# Altium PCB coreBoard_autotrack.PcbDoc (part 2 of 3)
Units mm, origin at the board's own origin, x right, y up, seen from the top; angles counter-clockwise.
Board outline 99.95 x 98.81 mm, 2 copper layers (Top Layer, Bottom Layer); 297 components, 244 nets, 1010 pads, 629 vias.
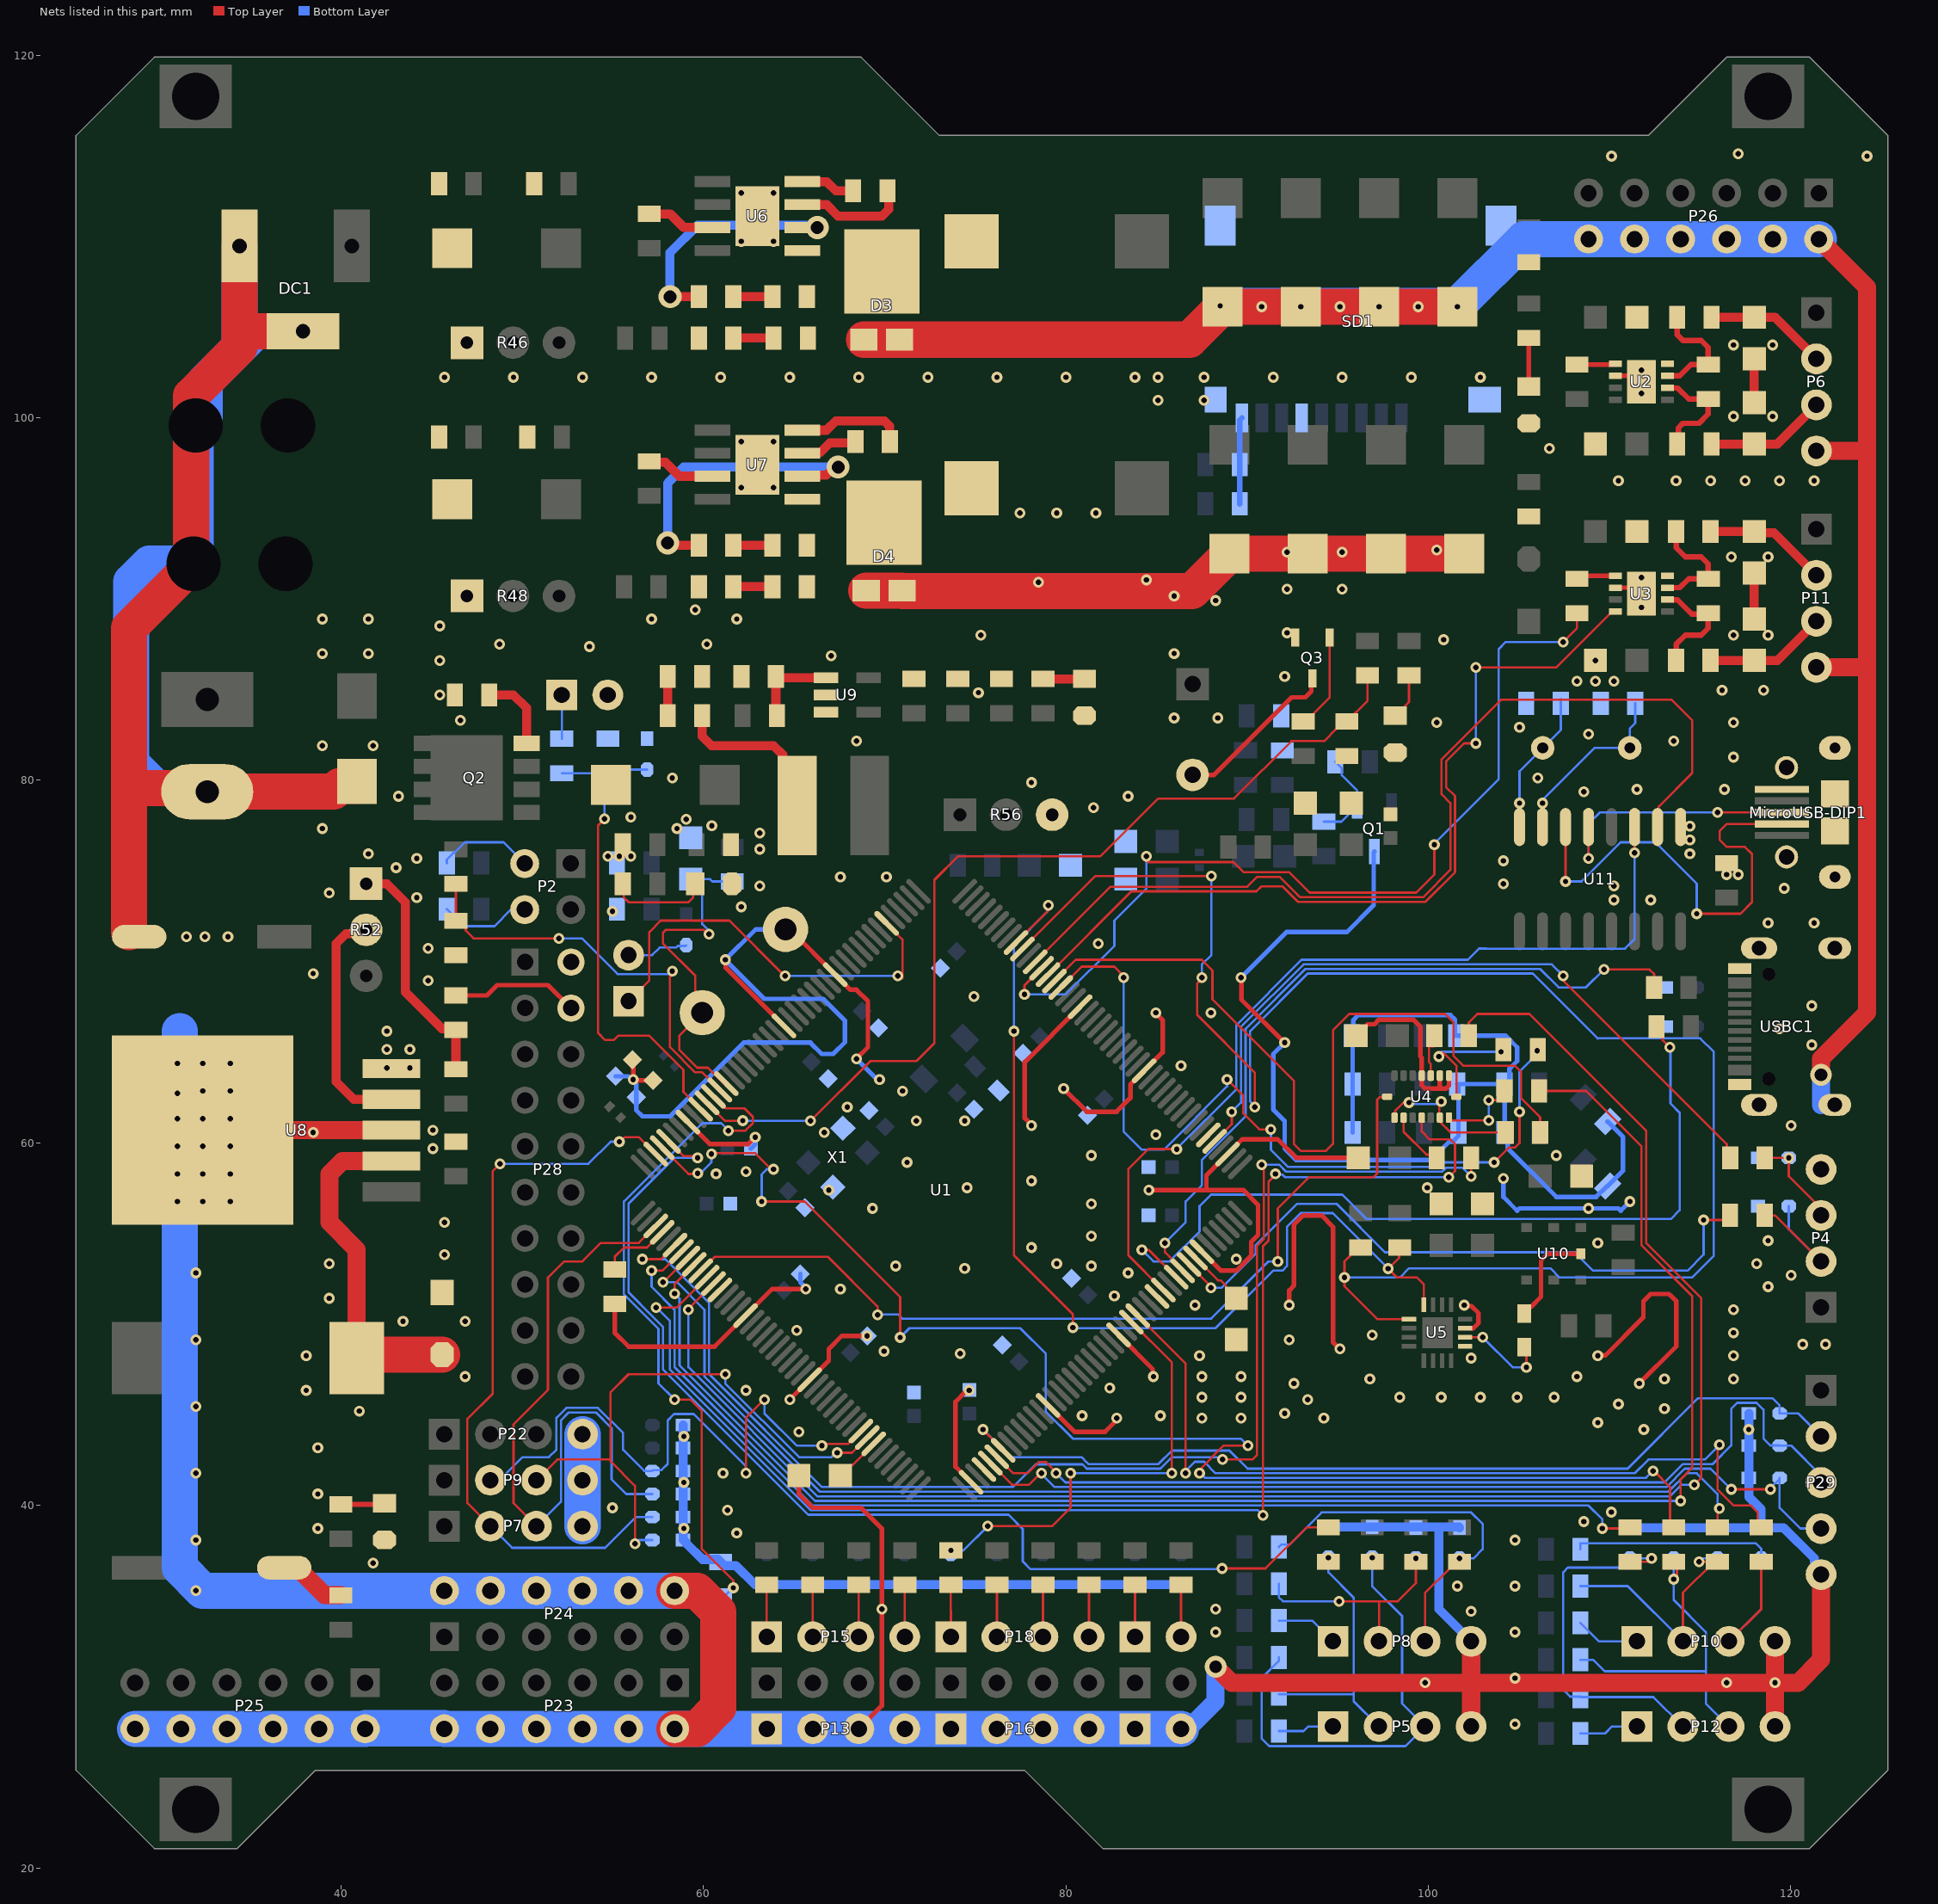
[diagram p2: the nets of this part, all layers, seen from the top]

## Via types
v1: diameter 0.6, hole 0.3, Top Layer to Bottom Layer, tented both sides, 587 vias
v2: diameter 0.6, hole 0.3, Top Layer to Bottom Layer, 20 vias
v3: diameter 1.27, hole 0.711, Top Layer to Bottom Layer, tented both sides, 19 vias
v4: diameter 1.2, hole 0.7, Top Layer to Bottom Layer, tented both sides, 3 vias

## Nets (pads, with @x,y where several pads share a name; then routed paths per layer and width w, separated by ;. In a path a pad name is that pad's centre, name@x,y a point inside that pad or via, vN(x,y) a via of type N, cw(c..) or ccw(c..) an arc to the next point about the centre after c; other vN are vias at no path point) (continued)
GND: C1.1 C2.1 C3.1 C4.1 C5.2 C6.1 C7.1 C8.1 C9.1 C10.1 C11.1 C12.1 C13.2 C14.2 C15.1 C16.1 C17.2 C18.2 C19.1 C20.1 C21.1 C22.2 C23.1 C24.1 C25.1 C26.2 C27.1 C28.1 C31.1 C32.1 C33.1 C34.1 C35.1 C36.1 C37.1 C38.1 C39.1 C40.1 C41.1 C42.1 C43.1 C44.1 C45.1 C46.1 C47.1 C48.2 C49.2 C50.2 C51.2 C53.2 C54.2 C55.2 C56.1 C57.1 C58.1 C59.2 C60.2 C61.2 C62.2 C63.2 C64.2 C65.2 C66.2 C67.1 C68.1 C72.2 C73.2 C74.2 C75.2 C76.2 C78.1 C79.1 C80.2 C81.2 C82.2 C83.2 C84.1 C85.1 C86.2 C87.1 C88.1 C89.1 D2.1 D3.1 D3.2 D4.1 D4.2 D5.1 D7.1 D8.1 D9.1 D10.1 D11.1 D12.1 D14.1 D15.1 D16.1 D17.1 D18.1 D19.1 D20.1 D21.1 D22.1 D23.1 D24.1 D25.1 D26.1 D27.1 D28.1 D29.1 D30.1 D31.1 D32.1 D33.1 D34.1 D35.1 D36.1 D37.1 D39.1 D40.1 DC1.2 DC1.3 DS1.2 DS2.2 DS3.2 DS4.2 DS5.2 J1.2 L4.1 MicroUSB-DIP1.0@119.761,75.776 MicroUSB-DIP1.0@119.761,80.703 MicroUSB-DIP1.0@122.428,74.676 MicroUSB-DIP1.0@122.428,77.216 MicroUSB-DIP1.0@122.428,79.248 MicroUSB-DIP1.0@122.428,81.788 MicroUSB-DIP1.5 P3.2 P4.4 P5.4 P6.4 P7.4 P8.4 P9.4 P10.4 P11.4 P12.4 P13.1 P13.2 P13.3 P13.4 P16.1 P16.2 P16.3 P16.4 P19.1 P19.2 P22.4 P23.2 P23.4 P23.6 P23.8 P23.10 P23.12 P24.2 P24.4 P24.6 P24.8 P24.10 P24.12 P25.2 P25.4 P25.6 P25.8 P25.10 P25.12 P26.2 P26.4 P26.6 P26.8 P26.10 P26.12 P27.2 P28.2 P28.4 P29.5 P30.2 Q3.2 R3.2 R32.1 R33.2 R43.1 R46.1 R48.1 R53.2 R56.3 R98.1 R99.1 R100.1 R101.1 S1.2 SD1.6 SD1.10 SD1.11 SD1.12 SD1.13 U1.14 U1.22 U1.37 U1.61 U1.71 U1.90 U1.102 U1.113 U1.126 U1.135 U1.148 U1.158 U2.2 U2.8 U2.9 U3.2 U3.8 U3.9 U4.4 U4.6 U4.7 U5.9 U5.11 U6.4 U6.9 U7.4 U7.9 U8.3 U8.5 U9.2 U10.7 U11.1 USBC1.0 USBC1.A1 USBC1.A12 USBC1.B1 USBC1.B12 X1.2 X1.4 | length 746.2
  Top Layer w0.254: R53.2@46.355,68.133 48.067,68.133 48.641,68.707 51.435,68.707 P28.4@52.705,67.437 ; R3.2@55.118,51.12 55.118,49.53 55.88,48.768 60.627,48.768 U1.61@62.333,50.474 63.802,51.943 v1(65.659,51.943) ; C3.1@56.086,64.595 56.086,64.236 56.134,64.187 v1(56.134,63.5) 56.182,63.452 C4.1@57.229,63.452 ; U1.37@59.151,61.152 60.359,59.944 62.484,59.944 v1(62.865,60.325) ; v1(61.214,70.104) 61.237,70.081 61.237,69.672 U1.22@64.455,66.455 ; S1.2@64.54,71.779 64.787,71.779 U1.14@67.283,69.283 68.113,68.453 68.453,68.453 69.088,67.818 69.088,65.278 v1(68.453,64.643) ; v1(64.777,45.847) U1.71@65.869,46.939 66.929,47.999 66.929,48.641 67.643,49.355 v1(69.04,49.355) ; C8.1@65.278,41.656 65.278,40.64 66.04,39.878 68.707,39.878 69.85,38.735 69.85,28.956 P13.3@68.58,27.686 ; v1(74.676,46.355) 74.549,46.355 73.914,45.72 73.914,42.146 U1.90@74.778,41.282 ; v1(78.105,60.96) 78.105,61.001 77.739,61.366 77.739,64.466 U1.158@80.789,67.516 ; U1.102@79.021,45.525 80.477,44.069 82.169,44.069 82.804,44.704 v1(82.804,44.831) ; v1(79.883,62.992) 81.153,61.722 82.804,61.722 83.566,62.484 83.566,63.222 U1.148@84.324,63.98 85.344,65 85.344,66.778 84.963,67.159 v2(84.963,67.183) ; U1.113@82.91,49.414 84.794,47.53 84.794,47.159 v1(84.836,47.117) ; v1(84.582,57.404) 87.757,57.404 ; U1.126@87.506,54.01 88.557,52.959 89.408,52.959 90.233,53.785 90.233,54.546 90.608,54.921 90.608,56.585 89.789,57.404 87.757,57.404 ; v1(92.329,51.054) 92.329,51.868 92.583,52.122 92.583,55.499 93.091,56.007 94.107,56.007 94.742,55.372 94.742,49.022 v1(95.123,48.641) ; C20.1@96.012,65.913 96.647,66.548 97.028,66.548 97.282,66.802 99.165,66.802 99.567,66.401 99.567,64.77 99.637,64.699 U4.4@99.637,63.714 99.637,63.177 99.822,62.992 100.711,62.992 ; C21.1@96.139,59.182 92.71,59.182 91.694,60.198 89.735,60.198 U1.135@88.92,59.384 87.757,58.22 87.757,57.404 ; U4.6@100.637,63.714 100.637,63.066 100.711,62.992 ; U4.7@101.138,63.714 101.138,63.165 100.965,62.992 100.711,62.992 ; v1(101.981,51.054) 102.033,51.002 102.384,51.002 102.765,50.62 102.765,50.06 102.489,49.784 U5.11@102.032,49.784 ; C26.2@105.283,50.584 105.283,50.711 105.537,50.965 105.664,50.965 106.214,51.516 106.214,53.509 106.586,53.881 U10.7@108.415,53.881 ; v1(109.347,48.26) 109.376,48.289 109.773,48.289 111.868,50.383 111.868,51.272 112.263,51.668 113.276,51.668 113.363,51.581 113.375,51.581 113.684,51.272 113.684,48.787 v1(111.633,46.736) ; U3.2@110.327,90.627 111.43,90.627 U3.9@111.76,90.297 ; U2.2@110.327,102.311 111.43,102.311 U2.9@111.76,101.981
  Top Layer w0.5: U7.4@65.467,99.314 66.802,99.314 67.31,99.822 69.989,99.822 70.282,99.529 70.282,98.689 C67.1@70.292,98.679 ; U6.4@65.467,113.03 65.472,113.025 66.807,113.025 67.31,112.522 C56.1@68.265,112.522 ; C19.1@117.983,88.9 C18.2@117.983,91.44 ; C15.1@117.983,100.838 C14.2@117.983,103.251
  Top Layer w1: U8.3@32.381,60.706 U8.3@42.795,60.706 ; C50.2@36.881,36.576 37.65,36.576 37.881,36.345 37.881,36.287 39.116,35.052 C51.2@40.005,35.052 ; v4(88.265,31.115) 89.154,30.226 102.362,30.226 ; P5.4@102.362,27.813 102.362,30.226 ; P8.4@102.362,32.512 102.362,30.226 ; P12.4@119.126,27.813 v1(119.126,30.226) ; P10.4@119.126,32.512 v1(119.126,30.226) ; P11.4@121.412,86.233 124.206,86.233 ; P6.4@121.412,98.171 124.079,98.171 124.206,98.044 ; P26.2@121.539,109.855 124.206,107.188 124.206,98.044 ; P29.5@121.666,36.195 121.666,31.496 120.396,30.226 v1(119.126,30.226) ; v4(121.666,63.754) 121.666,64.643 124.206,67.183 124.206,86.233 ; 102.362,30.226 v1(119.126,30.226) ; 124.206,86.233 124.206,98.044
  Top Layer w2: C48.2@28.321,71.628 28.321,79.576 ; DC1.2@34.417,109.474 34.417,105.029 ; DC1.3@37.917,104.774 34.672,104.774 34.417,105.029 ; D2.1@40.894,79.946 40.894,79.796 40.794,79.696 39.943,79.696 39.622,79.375 J1.2@32.639,79.375 32.438,79.576 28.321,79.576 ; P23.2@58.42,27.686 59.661,27.686 60.833,28.858 60.833,34.134 59.661,35.306 P24.12@58.42,35.306 ; D3.2@68.865,104.311 D3.1@70.835,104.311 86.837,104.311 C61.2@88.646,106.12 v1(90.805,106.12) v1(92.964,106.12) v1(95.123,106.12) v1(97.282,106.12) v1(99.441,106.12) v1(101.6,106.12) ; D4.2@68.992,90.468 D4.1@70.962,90.468 70.99,90.44 86.965,90.44 C76.2@89.029,92.504 C75.2@93.347,92.504 C74.2@97.665,92.504 C73.2@101.983,92.504 ; 28.321,79.576 28.321,88.392 P30.2@31.877,91.948 31.75,92.075 31.75,101.219 34.417,103.886 34.417,105.029
  Bottom Layer w0.254: C2.1@55.166,63.675 55.865,63.675 56.04,63.5 v1(56.134,63.5) 56.134,63.406 56.309,63.231 C1.1@56.309,62.532 56.309,61.801 56.642,61.468 58.166,61.468 62.23,65.532 65.913,65.532 66.533,64.912 67.168,64.912 67.818,65.563 67.818,66.744 66.617,67.945 63.373,67.945 v1(61.214,70.104) 62.889,71.779 S1.2@64.54,71.779 ; C34.1@62.626,59.69 62.865,59.929 v1(62.865,60.325) ; C40.1@65.357,52.784 65.357,52.316 65.659,52.013 v1(65.659,51.943) ; v1(68.453,64.643) 69.53,63.566 69.657,63.566 v1(69.723,63.5) ; v1(104.14,58.039) 104.14,57.023 104.902,56.261 105.029,56.388 v1(108.839,56.388) 110.49,56.388 110.617,56.261 v1(111.125,56.769)
  Bottom Layer w0.5: D36.1@58.889,44.45 D35.1@58.889,43.18 D20.1@58.889,41.91 D15.1@58.889,40.64 D16.1@58.889,39.37 D19.1@58.889,38.1 58.939,38.1 59.039,38 59.039,37.95 59.959,37.03 60.821,37.03 R100.1@60.96,36.891 61.155,36.697 61.79,36.697 62.848,35.638 D28.1@63.5,35.638 D27.1@66.04,35.638 D26.1@68.58,35.638 D25.1@71.12,35.638 D32.1@73.66,35.638 D31.1@76.2,35.638 D30.1@78.74,35.638 D29.1@81.28,35.638 D34.1@83.82,35.638 D33.1@86.36,35.638 ; D14.1@94.488,38.823 D12.1@96.901,38.823 100.584,38.823 ; D17.1@101.727,38.784 101.688,38.823 100.584,38.823 ; P8.4@102.362,32.512 100.584,34.29 100.584,38.823 ; D24.1@111.125,38.784 D23.1@113.538,38.784 D22.1@115.951,38.784 D21.1@118.364,38.784 ; D40.1@117.68,45.085 D39.1@117.68,43.307 D37.1@117.68,41.529 117.68,40.486 118.364,39.802 D21.1@118.364,38.784 ; P29.5@121.666,36.195 121.666,36.52 121.289,36.897 121.289,37.08 119.585,38.784 D21.1@118.364,38.784
  Bottom Layer w1: P19.2@86.36,27.686 86.549,27.686 86.899,28.036 87.091,28.036 88.265,29.21 v4(88.265,31.115) ; USBC1.0@121.666,62.099 v4(121.666,63.754)
  Bottom Layer w2: P25.12@28.65,27.686 P25.10@31.19,27.686 P25.8@33.73,27.686 P25.6@36.27,27.686 P25.4@38.81,27.686 P25.2@41.35,27.686 41.38,27.716 45.69,27.716 P23.12@45.72,27.686 P23.10@48.26,27.686 P23.8@50.8,27.686 P23.6@53.34,27.686 P23.4@55.88,27.686 P23.2@58.42,27.686 P13.1@63.5,27.686 P13.2@66.04,27.686 P13.3@68.58,27.686 P13.4@71.12,27.686 P16.1@73.66,27.686 P16.2@76.2,27.686 P16.3@78.74,27.686 P16.4@81.28,27.686 P19.1@83.82,27.686 P19.2@86.36,27.686 ; 31.115,66.167 31.115,36.576 32.385,35.306 P24.2@45.72,35.306 P24.4@48.26,35.306 P24.6@50.8,35.306 P24.8@53.34,35.306 P24.10@55.88,35.306 P24.12@58.42,35.306 ; J1.2@32.639,79.375 32.438,79.576 29.814,79.576 28.448,80.941 28.448,90.948 29.448,91.948 P30.2@31.877,91.948 32.004,92.075 P27.2@32.004,99.568 32.504,100.068 32.504,101.973 34.417,103.886 ; DC1.2@34.417,109.474 34.417,103.886 ; DC1.3@37.917,104.774 35.305,104.774 34.417,103.886 ; P7.4@53.34,38.862 P9.4@53.34,41.402 P22.4@53.34,43.942 ; v1(88.519,106.172) 101.6,106.172 105.283,109.855 P26.12@108.839,109.855 P26.10@111.379,109.855 P26.8@113.919,109.855 P26.6@116.459,109.855 P26.4@118.999,109.855 P26.2@121.539,109.855
  other v1: 104.775,27.94 99.822,30.226 116.459,30.226 104.775,30.48 88.265,33.02 104.775,33.02 102.362,34.163 88.265,34.29 32.004,35.306 101.6,35.56 104.775,35.56 41.783,36.83 32.004,38.1 104.775,38.1 61.849,38.481 38.735,38.735 58.928,38.735 108.585,39.116 110.09,39.641 61.341,39.751 54.991,39.878 38.735,40.64 58.928,41.275 32.004,41.783 61.087,41.783 38.735,43.18 58.928,43.815 65.278,44.069 111.887,44.196 117.68,44.196 109.347,44.577 87.503,44.831 89.662,44.831 94.234,44.831 80.899,44.958 85.217,44.958 92.075,45.085 41.021,45.212 113.03,45.339 32.004,45.466 110.49,45.593 93.345,45.847 87.503,45.974 89.662,45.974 98.425,45.974 100.711,45.974 102.87,45.974 104.902,45.974 106.934,45.974 38.1,46.355 82.423,46.482 92.583,46.736 96.774,46.99 113.03,46.99 116.84,46.99 46.863,47.117 87.503,47.117 89.662,47.117 108.204,47.117 102.362,48.133 38.1,48.26 87.376,48.26 116.84,48.26 74.168,48.387 69.977,48.514 120.65,48.895 121.92,48.895 32.004,49.149 92.329,49.149 96.901,49.403 116.84,49.53 43.434,50.165 46.863,50.165 116.84,50.8 87.122,51.054 39.37,51.435 82.677,51.562 67.564,51.943 118.745,52.07 120.015,52.705 32.004,52.832 74.422,53.086 70.612,53.213 81.407,53.213 39.37,53.34 79.502,53.34 118.11,53.34 89.408,53.594 45.72,53.848 78.105,54.229 118.745,54.61 81.407,54.864 45.72,55.626 69.342,56.388 81.407,56.642 30.988,56.769 32.385,56.769 33.909,56.769 66.929,57.404 74.549,57.531 99.949,57.531 78.105,57.912 30.988,58.293 32.385,58.293 33.909,58.293 62.357,58.42 71.247,58.928 81.407,59.309 107.061,59.309 45.085,59.69 30.988,59.817 32.385,59.817 33.909,59.817 66.675,60.579 45.085,60.706 120.015,60.96 71.755,61.214 30.988,61.341 32.385,61.341 33.909,61.341 67.945,61.976 30.988,62.738 32.385,62.865 33.909,62.865 70.993,62.865 42.545,64.135 43.815,64.135 30.988,64.389 32.385,64.389 33.909,64.389 42.545,65.151 43.815,65.151 42.545,66.167 74.93,68.072 44.831,68.961 44.831,70.739 81.788,70.993 31.496,71.374 32.512,71.374 33.782,71.374 118.745,72.136 121.285,72.136 62.103,73.025 110.236,73.406 112.268,73.406 44.196,73.533 119.634,74.041 63.119,74.168 110.236,74.168 104.14,74.295 67.564,74.676 70.104,74.676 116.459,74.803 117.094,74.803 43.053,75.184 104.14,75.565 44.196,75.692 54.737,75.819 55.372,75.819 56.007,75.819 41.529,75.946 114.427,75.946 63.119,76.2 114.427,76.708 63.119,77.089 38.989,77.343 58.547,77.343 114.427,77.47 60.473,77.489 59.055,77.851 56.007,77.978 81.534,78.486 43.18,79.121 83.439,79.121 108.585,79.375 111.506,79.502 116.332,79.502 78.105,79.883 58.293,80.137 106.045,80.137 116.84,81.28 38.989,81.915 41.783,81.915 113.538,82.169 108.839,82.55 105.029,82.931 100.457,83.185 116.84,83.185 46.609,83.312 85.979,83.439 88.392,83.439 45.466,84.709 75.184,84.836 116.205,84.963 118.491,84.963 108.204,85.471 109.22,85.471 110.236,85.471 92.075,85.725 45.466,86.614 109.22,86.614 38.989,86.995 41.529,86.995 85.979,86.995 53.721,87.376 48.768,87.503 60.198,87.503 100.838,87.757 75.311,88.011 116.84,88.011 118.745,88.011 92.202,88.138 45.466,88.519 38.989,88.9 41.529,88.9 57.15,88.9 61.849,88.9 59.563,89.408 111.76,89.535 88.265,89.916 85.979,90.17 92.202,90.551 95.25,90.551 78.486,90.932 84.455,91.059 111.76,91.186 116.713,92.329 118.745,92.329 92.202,92.583 95.25,92.583 100.457,92.71 77.47,94.742 79.502,94.742 81.661,94.742 62.103,96.139 63.881,96.139 110.49,96.52 113.665,96.52 115.57,96.52 117.475,96.52 119.38,96.52 121.285,96.52 106.68,98.298 62.103,98.679 63.881,98.679 116.84,100.076 118.999,100.076 85.09,100.965 87.63,100.965 111.76,101.346 45.72,102.235 49.53,102.235 53.34,102.235 57.15,102.235 60.96,102.235 64.77,102.235 68.58,102.235 72.39,102.235 76.2,102.235 80.01,102.235 83.82,102.235 85.09,102.235 87.63,102.235 91.44,102.235 95.25,102.235 99.06,102.235 102.87,102.235 111.76,102.616 116.84,104.013 118.999,104.013 62.103,109.728 63.881,109.728 62.103,112.395 63.881,112.395 110.109,114.427 124.206,114.427 117.094,114.554
  other v2: 69.85,34.29 62.357,46.355 65.151,49.657 83.439,52.832 109.347,54.483 60.706,58.293 84.963,60.452 38.481,60.579 74.422,61.214 86.36,64.262 121.158,65.405 119.38,66.294 88.011,67.183 121.158,67.564 38.481,69.342 54.991,72.771 39.37,73.787 68.453,82.169 67.056,86.868
NetC7_2: C7.2 U1.125 | length 3.2
  Top Layer w0.127: U1.125@87.153,53.656 88.39,52.419 88.551,52.419 88.837,52.133 88.837,52.006 C7.2@89.408,51.435
NetC8_2: C8.2 U1.81 | length 2.2
  Top Layer w0.127: C8.2@67.564,41.656 68.135,42.227 68.229,42.227 U1.81@69.123,43.122
NetC14_1: C14.1 P6.2 R6.1 | length 6.7
  Top Layer w0.5: R6.1@115.631,105.537 C14.1@117.983,105.537 119.126,105.537 P6.2@121.412,103.251
NetC15_2: C15.2 P6.3 R7.1 | length 6.7
  Top Layer w0.5: R7.1@115.631,98.552 C15.2@117.983,98.552 119.253,98.552 P6.3@121.412,100.711
NetC18_1: C18.1 P11.2 R12.1 | length 6.8
  Top Layer w0.5: R12.1@115.57,93.726 C18.1@117.983,93.726 118.059,93.65 119.075,93.65 P11.2@121.412,91.313
NetC19_2: C19.2 P11.3 R16.1 | length 6.7
  Top Layer w0.5: R16.1@115.57,86.614 C19.2@117.983,86.614 119.253,86.614 P11.3@121.412,88.773
NetC26_1: C26.1 U5.10 | length 5.2
  Top Layer w0.127: U5.10@102.032,49.284 v1(102.997,49.284) ; C26.1@105.283,48.73 105.41,48.603 v1(105.41,47.625)
  Bottom Layer w0.127: v1(102.997,49.284) 104.656,47.625 v1(105.41,47.625)
NetC56_2: C56.2 U6.3 | length 6.2
  Top Layer w0.5: U6.3@65.467,111.76 65.472,111.755 66.807,111.755 67.437,111.125 69.85,111.125 70.231,111.506 70.231,112.456 C56.2@70.165,112.522
NetC57_2: C57.2 R50.1 | length 2.2
  Top Layer w0.5: C57.2@61.656,104.394 R50.1@63.881,104.394
NetC67_2: C67.2 U7.3 | length 3.2
  Top Layer w0.5: U7.3@65.467,98.044 65.517,98.094 66.471,98.094 66.982,98.605 68.198,98.605 68.271,98.679 C67.2@68.392,98.679
NetC68_2: C68.2 R51.1 | length 2.2
  Top Layer w0.5: C68.2@61.656,90.678 R51.1@63.82,90.678
NetC69_1: C69.1 D3.3 L5.1 R50.2 U6.1
NetC69_2: C69.2 R44.2 | length 2.2
  Top Layer w0.5: R44.2@61.656,106.68 C69.2@63.82,106.68
NetC70_1: C70.1 D4.3 L7.1 R51.2 U7.1
NetC70_2: C70.2 R47.2 | length 2.2
  Top Layer w0.5: R47.2@61.656,92.964 C70.2@63.82,92.964
NetC77_2: C77.2 R52.1 R53.1 | length 13.4
  Top Layer w0.5: R52.1@41.402,74.295 42.545,74.295 43.561,73.279 43.561,68.326 45.593,66.294 46.294,66.294 R53.1@46.355,66.233 C77.2@46.355,64.069
NetC84_2: C84.2 R55.1 | length 2.2
  Top Layer w0.5: C84.2@58.039,85.725 58.044,85.72 R55.1@58.044,83.566
NetC85_2: C85.2 R54.1 U9.1 | length 5
  Top Layer w0.5: R54.1@64.069,83.566 64.008,83.627 C85.2@64.008,85.725 64.074,85.659 U9.1@66.77,85.659
NetC88_2: C88.2 U11.7 X3.1 | length 10.1
  Top Layer w0.127: U11.7@106.299,77.424 v1@106.299,78.918
  Bottom Layer w0.127: v1@106.299,78.918 109.169,81.788 X3.1@111.112,81.788 111.112,82.855 111.416,83.159 C88.2@111.416,84.251
  other v1: 106.299,78.74
NetC89_2: C89.2 U11.8 X3.2 | length 8
  Top Layer w0.127: U11.8@105.029,77.424 v1(105.029,78.74)
  Bottom Layer w0.127: v1(105.029,78.74) 105.029,80.505 X3.2@106.312,81.788 107.305,82.781 C89.2@107.305,84.251 C89.2@107.305,84.48
NetD1_2: D1.2 P1.2 | length 3.4
  Bottom Layer w0.127: P1.2@55.88,70.358 57.175,70.358 57.591,70.774 58.498,70.774 58.589,70.865 59.015,70.865 D1.2@59.055,70.905
NetD5_2: D5.2 L6.1 U8.2 | length 19.3
  Top Layer w1: L6.1@40.881,48.133 40.881,54.115 39.37,55.626 39.37,58.293 40.083,59.006 U8.2@42.795,59.006
  Top Layer w2: L6.1@40.881,48.133 41.072,48.323 D5.2@45.593,48.323
NetD8_2: D8.2 P4.3 R14.2 | length 5.2
  Top Layer w0.127: R14.2@118.554,59.182 v1(119.888,59.182) 119.888,58.166 121.666,56.388 P4.3@121.666,56.007
NetD10_2: D10.2 P4.2 R13.2 | length 8
  Top Layer w0.127: R13.2@118.552,56.007 119.126,56.007 P4.2@121.666,53.467
  Bottom Layer w0.127: D10.2@119.888,56.515 119.888,55.245 P4.2@121.666,53.467
NetD12_2: D12.2 P5.3 R57.1 R61.2 | length 25
  Bottom Layer w0.127: R57.1@91.755,31.623 91.755,31.42 90.805,30.47 90.805,27.16 91.232,26.733 98.742,26.733 P5.3@99.822,27.813 98.552,29.083 98.552,33.909 96.901,35.56 v1(96.901,37.123)
NetD14_2: D14.2 P5.2 R58.1 R60.2 | length 14.8
  Top Layer w0.127: R60.2@94.488,36.896 v1(94.488,37.123)
  Bottom Layer w0.127: R58.1@91.755,29.591 95.885,29.591 ; v1(94.488,37.123) 94.488,36.322 95.885,34.925 95.885,29.591 ; P5.2@97.282,27.813 95.885,29.21 95.885,29.35 95.885,29.411 95.885,29.591
NetD17_2: D17.2 P8.3 R62.1 R66.2 | length 20.5
  Top Layer w0.127: P8.3@99.822,32.512 99.822,35.179 101.155,36.512 101.155,36.515 101.536,36.896 R66.2@101.727,36.896
  Bottom Layer w0.127: R62.1@91.755,37.719 91.882,37.846 92.329,37.846 94.107,39.624 102.362,39.624 102.997,38.989 102.997,37.592 102.489,37.084 v1(101.727,37.084)
NetD18_2: D18.2 P8.2 R63.1 R65.2 | length 12.2
  Top Layer w0.127: v1(95.072,34.722) 97.282,34.722 ; P8.2@97.282,32.512 97.282,34.722 ; R65.2@99.314,36.896 99.314,35.72 98.316,34.722 97.282,34.722
  Bottom Layer w0.127: R63.1@91.755,35.687 91.755,34.95 91.984,34.722 v1(95.072,34.722)
  other v1: 99.314,37.084
NetD21_2: D21.2 P10.3 R67.1 R71.2 | length 31.1
  Top Layer w0.127: P10.3@116.586,32.512 118.364,34.29 R71.2@118.364,36.896
  Bottom Layer w0.127: R67.1@108.392,37.592 R67.1@108.392,37.922 ; P10.3@116.586,32.512 118.364,34.29 D21.2@118.364,37.084 118.364,37.617 118.059,37.922 ; R67.1@108.392,37.922 118.059,37.922 ; R67.1@108.392,37.922 118.059,37.922